# KiCad board FPGA_module.kicad_pcb (continued)
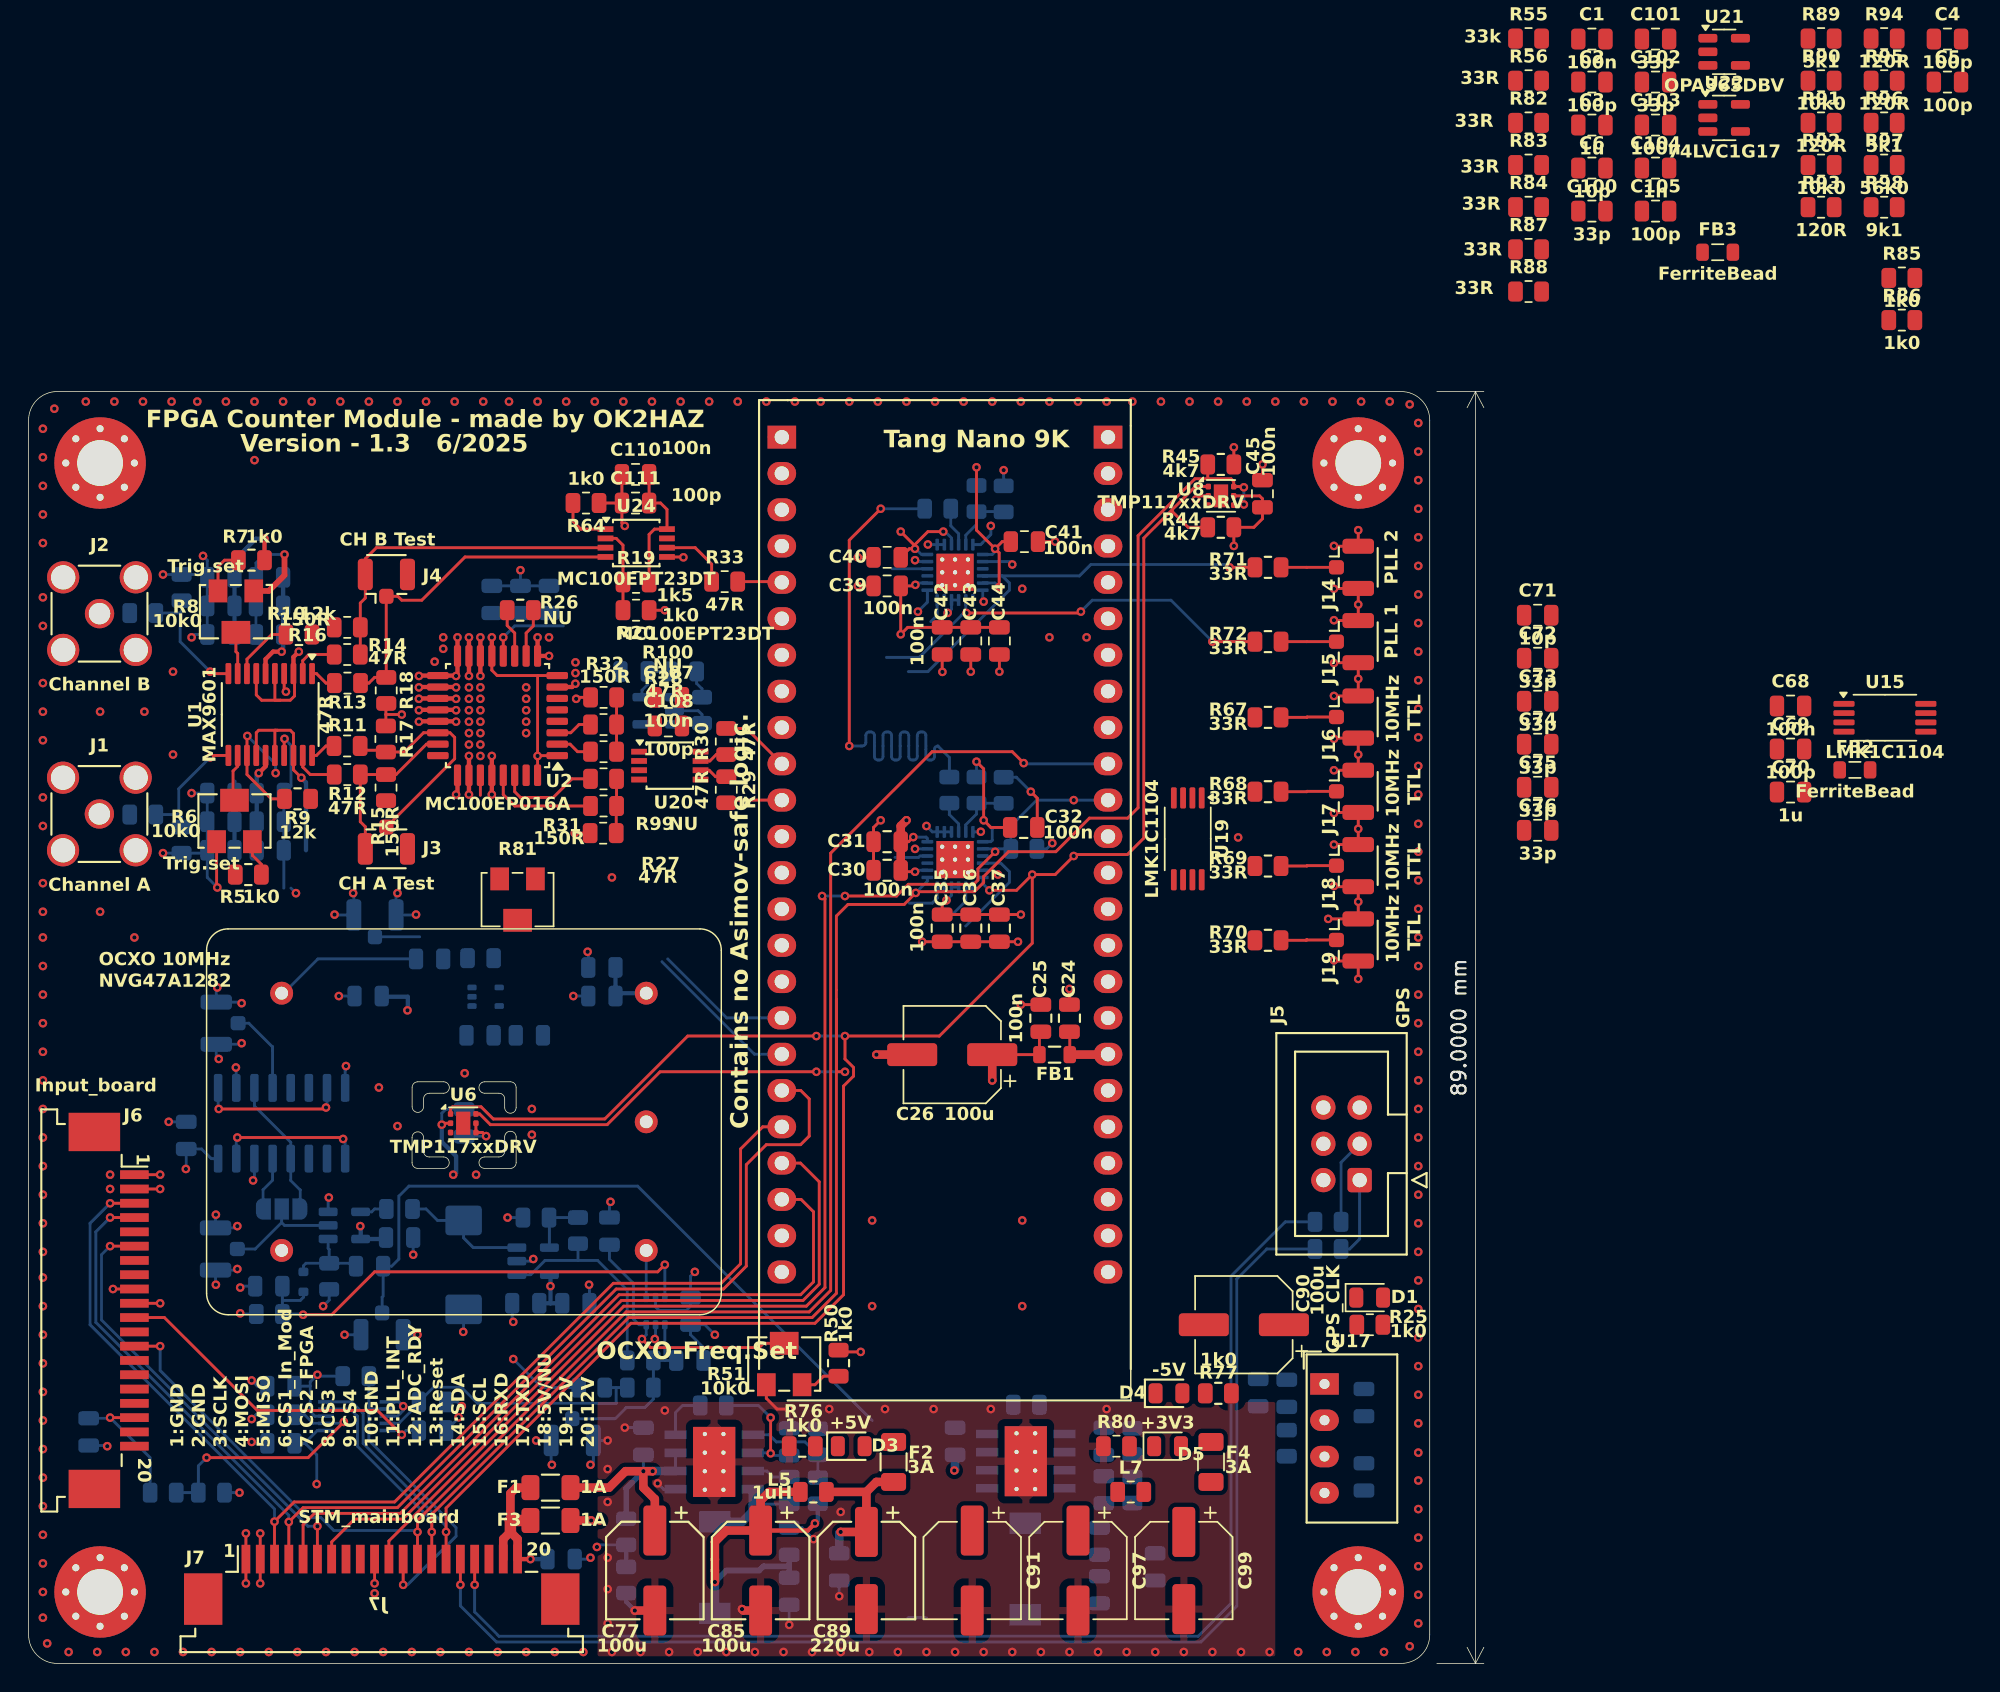
[diagram p0: board, top side]
## Library data of the parts (continued)
L6 = -: Description: Inductor; LCSC PN: C19274374; LCSC link: https://www.lcsc.com/product-detail/Power-Inductors_SHOU-HAN-CYA0620-6-8UH_C19274374.html; ki_fp_filters: Choke_* *Coil* Inductor_* L_*
R1 R2 = -: Description: Resistor; LCSC PN: C17477; LCSC link: https://www.lcsc.com/product-detail/Chip-Resistor-Surface-Mount_UNI-ROYAL-Uniroyal-Elec-0805W8F0000T5E_C17477.html?s_z=n_C17477; ki_fp_filters: R_*
R3 R4 = -: Description: Resistor; LCSC PN: C17720; LCSC link: https://www.lcsc.com/product-detail/Chip-Resistor-Surface-Mount_UNI-ROYAL-Uniroyal-Elec-0805W8F499JT5E_C17720.html?s_z=n_C17720; ki_fp_filters: R_*
R5 R7 R25 R40 R47 R50 R76 R77 R80 R85 R86 = -: Description: Resistor; LCSC PN: C17513; LCSC link: https://www.lcsc.com/product-detail/Chip-Resistor-Surface-Mount_UNI-ROYAL-Uniroyal-Elec-0805W8F1001T5E_C17513.html?s_z=n_C17513; ki_fp_filters: R_*
R6 R8 R51 R81 = -: LCSC PN: C81348; LCSC link: https://www.lcsc.com/product-detail/Potentiometers-Variable-Resistors_BOURNS-3224W-1-103E_C81348.html
R9 R10 = -: Description: Resistor; LCSC PN: C17444; LCSC link: https://www.lcsc.com/product-detail/Chip-Resistor-Surface-Mount_UNI-ROYAL-Uniroyal-Elec-0805W8F1202T5E_C17444.html?s_z=n_C17444; ki_fp_filters: R_*
R11-R14 R27-R30 R33 R99 R100 = -: Description: Resistor; LCSC PN: C25315; LCSC link: https://www.lcsc.com/product-detail/Chip-Resistor-Surface-Mount_UNI-ROYAL-Uniroyal-Elec-0805W8J0470T5E_C25315.html?s_z=n_C25315; ki_fp_filters: R_*
R15-R18 R23 R24 R31 R32 = -: Description: Resistor; LCSC PN: C17471; LCSC link: https://www.lcsc.com/product-detail/Chip-Resistor-Surface-Mount_UNI-ROYAL-Uniroyal-Elec-0805W8F1500T5E_C17471.html?s_z=n_C17471; ki_fp_filters: R_*
R19 R20 R26 R34 R37 R58-R60 R64 R89 R90 R92 R96-R98 = -: Description: Resistor; ki_fp_filters: R_*
R35 R36 R52 R53 R91 R93-R95 = -: Description: Resistor; LCSC PN: C5140194; LCSC link: https://lcsc.com/product-detail/Chip-Resistor-Surface-Mount_VO-SCR0805F120R_C5140194.html; ki_fp_filters: R_*
R38 = -: Description: Resistor; LCSC link: https://www.lcsc.com/product-detail/Chip-Resistor-Surface-Mount_UNI-ROYAL-Uniroyal-Elec-0805W8F1003T5E_C149504.html?s_z=n_C149504; ki_fp_filters: R_*
R39 R46 = -: Description: Resistor; LCSC PN: C2933368; LCSC link: https://www.lcsc.com/product-detail/Chip-Resistor-Surface-Mount_FOJAN-FRC0805F2151TS_C2933368.html?s_z=n_C2933368; ki_fp_filters: R_*
R41 R43-R45 = -: Description: Resistor; LCSC PN: C2907326; LCSC link: https://www.lcsc.com/product-detail/Chip-Resistor-Surface-Mount_FOJAN-FRC0805J472-TS_C2907326.html?s_z=n_C2907326; ki_fp_filters: R_*
R42 R49 = -: Description: Resistor; LCSC PN: C2907268; LCSC link: https://lcsc.com/product-detail/Chip-Resistor-Surface-Mount_FOJAN-FRC0805F47R0TS_C2907268.html; ki_fp_filters: R_*
R48 R63 R65 R66 R73 R74 R78 = -: Description: Resistor; LCSC PN: C149504; LCSC link: https://www.lcsc.com/product-detail/Chip-Resistor-Surface-Mount_UNI-ROYAL-Uniroyal-Elec-0805W8F1003T5E_C149504.html?s_z=n_C149504; ki_fp_filters: R_*
R54 = -: Description: Resistor; LCSC PN: C4382; LCSC Link: https://www.lcsc.com/product-detail/Chip-Resistor-Surface-Mount_UNI-ROYAL-Uniroyal-Elec-0805W8F5601T5E_C4382.html; ki_fp_filters: R_*
R55 = -: Description: Resistor; LCSC PN: C17633; LCSC Link: https://www.lcsc.com/product-detail/Chip-Resistor-Surface-Mount_UNI-ROYAL-Uniroyal-Elec-0805W8F3302T5E_C17633.html; ki_fp_filters: R_*
R56 R67-R72 R82-R84 R87 R88 = -: Description: Resistor; LCSC PN: C17634; LCSC link: https://www.lcsc.com/product-detail/Chip-Resistor-Surface-Mount_UNI-ROYAL-Uniroyal-Elec-0805W8F330JT5E_C17634.html; ki_fp_filters: R_*
R57 = -: Description: Resistor; LCSC PN: C25826; LCSC link: https://www.lcsc.com/product-detail/Chip-Resistor-Surface-Mount_UNI-ROYAL-Uniroyal-Elec-0805W8F3902T5E_C25826.html?s_z=n_C25826; ki_fp_filters: R_*
R75 = -: Description: Resistor; LCSC PN: C2930185; LCSC link: https://www.lcsc.com/product-detail/Chip-Resistor-Surface-Mount_FOJAN-FRC0805F2492TS_C2930185.html?s_z=n_C2930185; ki_fp_filters: R_*
R79 = -: Description: Resistor; LCSC PN: C2930198; LCSC link: https://www.lcsc.com/product-detail/Chip-Resistor-Surface-Mount_FOJAN-FRC0805F4322TS_C2930198.html; ki_fp_filters: R_*
U1 = -: LCSC PN: 700-MAX9601EUP; LCSC link: https://cz.mouser.com/ProductDetail/Analog-Devices-Maxim-Integrated/MAX9601EUP%2b?qs=1THa7WoU59GwnJLwUbWbGQ%3D%3D
U2 = -: LCSC link: Ebay
U4 U7 = -: LCSC PN: 634-SI5356A-B-GMR; LCSC link: https://cz.mouser.com/ProductDetail/Skyworks-Solutions-Inc/SI5356A-B-GMR?qs=gjQ0PIzz%2F1MHMGnNt1%252BsVA%3D%3D
U5 = -: Datasheet: http://www.ti.com/lit/ds/symlink/ads1113.pdf; Description: Ultra-Small, Low-Power, I2C-Compatible, 860-SPS, 16-Bit ADCs With Internal Reference, Oscillator, and Programmable Comparator, VSSOP-10; LCSC PN: C37593; LCSC link: https://www.lcsc.com/product-detail/Analog-to-Digital-Converters-ADC_Texas-Instruments-ADS1115IDGSR_C37593.html?s_z=n_ADS1115; ki_fp_filters: TSSOP*3x3mm*P0.5mm*
U6 U8 = -: Datasheet: https://www.ti.com/lit/ds/symlink/tmp117.pdf; Description: Digital Temperature Sensor with I2C/SMBus Interface, 16 bits, ±0.3°C, one-shot conversion, alert, nist traceable, EEPROM, WSON; ki_fp_filters: WSON*1EP?2x2mm?P0.65mm?EP1x1.6mm*
U10 = -: Datasheet: http://www.ti.com/lit/ds/symlink/ts5a3159.pdf; Description: Single SPDT Analog Switch, 1.65-V to 5.5-V Single-Supply Operation, 1Ohm Ron, SC-70-6; ki_fp_filters: *SC?70*
U11 = -: LCSC PN: C128919; LCSC link: https://lcsc.com/product-detail/Operational-Amplifier_Microchip-Tech-MIC920YC5-TR_C128919.html?s_z=n_mic920; ki_fp_filters: SOT?23*
U12 = -: Datasheet: https://www.ti.com/lit/ds/symlink/tlv9001.pdf; Description: Low-power, Rail-to-Rail, 1MHz Operational Amplifier, SOT-353; ki_fp_filters: SOT*353*SC*70*
U13 U21 = -: Datasheet: https://www.ti.com/lit/ds/symlink/opa365.pdf; Description: 50-MHz, Zero-Crossover, Low-Distortion, High CMRR, RRI/O, Single-Supply, SOT-23-5; LCSC PN: C96626; LCSC link: https://www.lcsc.com/product-detail/Operational-Amplifier_Texas-Instruments-OPA365AIDBVR_C96626.html?s_z=n_C96626; ki_fp_filters: SOT?23*
U14 = -: Datasheet: http://www.ti.com/lit/sg/scyt129e/scyt129e.pdf; Description: Single XOR Gate, Low-Voltage CMOS; LCSC PN: C19829595; LCSC link: https://www.lcsc.com/product-detail/Logic-Gates_TECH-PUBLIC-74LVC1G86GV_C19829595.html?s_z=n_C19829595; ki_fp_filters: SOT* SG-*
U15 U19 = -: Datasheet: https://www.ti.com/lit/ds/symlink/cdcv304.pdf; Description: 0-200 MHz 1:4 Clock Buffer, PCI-X Compliant, TSSOP-8; LCSC PN: C1855734; LCSC link: https://www.lcsc.com/product-detail/Clock-Buffers-Drivers-Distributors_Texas-Instruments-LMK1C1104PWR_C1855734.html?s_z=n_LMK1C1104; ki_fp_filters: TSSOP*4.4x3mm*P0.65mm*
U16 U18 = -: Datasheet: http://www.ti.com/lit/ds/symlink/lmr33630.pdf; Description: Simple Switcher Synchronous Buck Regulator, Vin=3.8-36V, Iout=3A, F=1400kHz, Adjustable output voltage, HSOP-8; LCSC PN: C841384; LCSC link: https://www.lcsc.com/product-detail/DC-DC-Converters_Texas-Instruments-LMR33630ADDAR_C841384.html?s_z=n_LMR33630; ki_fp_filters: Texas*HSOP*1EP*
U17 = -: Datasheet: http://power.murata.com/datasheet?/data/power/ncl/kdc_cre1.pdf; Description: 5V to 5V 200mA DC-DC Converter with 1kV isolation, SIP-4; LCSC PN: C7465127; LCSC link: https://www.lcsc.com/product-detail/Isolated-Power-Modules_EVISUN-B0505S-1W_C7465127.html; ki_fp_filters: Converter*DCDC*Murata*CRE1xxxxxxSC*
U20 U24 = -: Datasheet: https://www.onsemi.com/pub/Collateral/MC100EPT22-D.PDF; Description: 3.3 V Dual LVTTL/LVCMOS to Differential LVPECL Translator, TSSOP-8; ki_fp_filters: TSSOP*3x3mm*P0.65mm*
U22 = -: Datasheet: https://www.ti.com/lit/ds/symlink/sn74lvc1g17.pdf; Description: Single Schmitt Buffer Gate, Low-Voltage CMOS; ki_fp_filters: SOT?23* SOT?553* Texas?R-PDSO-G5?DCK* Texas?R-PDSO-N5?DRL* Texas?X2SON*0.8x0.8mm*P0.48mm*

## Footprints (pads in the part's own frame, mm; a bottom-side part is the same pattern mirrored in y, then rotated)
C_0805_2012Metric
  rrect 1x1.45 smd: 1(-0.95,0) 2(0.95,0)
Converter_DCDC_Murata_CRE1xxxxxxSC_THT
  rect 2x1.5 hole 0.7: 1(0,0)
  oval 2x1.5 hole 0.7: 2(0,-2.54) 3(0,-5.08) 4(0,-7.62)
CP_EIA-7343-31_Kemet-D
  rrect 2.075x2.55 smd: 1(-3.112,0) 2(3.112,0)
CP_Elec_6.3x5.4
  rrect 3.5x1.6 smd: 1(-2.8,0) 2(2.8,0)
CP_Elec_6.3x7.7
  rrect 3.5x1.6 smd: 1(-2.7,0) 2(2.7,0)
D_SOD-523
  rrect 0.6x0.7 smd: 1(-0.7,0) 2(0.7,0)
DIP-48_TangNano9K
  rect 1.6x2 hole 1: 1(-29.21,-11.408) 48(-29.21,11.408)
  oval 1.6x2 hole 1: 2(-26.67,-11.408) 3(-24.13,-11.408) 4(-21.59,-11.408) 5(-19.05,-11.408) 6(-16.51,-11.408) 7(-13.97,-11.408) 8(-11.43,-11.408) 9(-8.89,-11.408) 10(-6.35,-11.408) 11(-3.81,-11.408) 12(-1.27,-11.408) 13(1.27,-11.408) 14(3.81,-11.408) 15(6.35,-11.408) 16(8.89,-11.408) 17(11.43,-11.408) 18(13.97,-11.408) 19(16.51,-11.408) 20(19.05,-11.408) 21(21.59,-11.408) 22(24.13,-11.408) 23(26.67,-11.408) 24(29.21,-11.408) 25(29.21,11.408) 26(26.67,11.408) 27(24.13,11.408) 28(21.59,11.408) 29(19.05,11.408) 30(16.51,11.408) 31(13.97,11.408) 32(11.43,11.408) 33(8.89,11.408) 34(6.35,11.408) 35(3.81,11.408) 36(1.27,11.408) 37(-1.27,11.408) 38(-3.81,11.408) 39(-6.35,11.408) 40(-8.89,11.408) 41(-11.43,11.408) 42(-13.97,11.408) 43(-16.51,11.408) 44(-19.05,11.408) 45(-21.59,11.408) 46(-24.13,11.408) 47(-26.67,11.408)
Fuse_1206_3216Metric
  rrect 1.25x1.75 smd: 1(-1.4,0) 2(1.4,0)
IDC-Header_2x03_P2.54mm_Vertical
  rrect 1.7x1.7 hole 1: 1(0,0)
  round 1.7 hole 1: 2(2.54,0) 3(0,-2.54) 4(2.54,-2.54) 5(0,-5.08) 6(2.54,-5.08)
L_7.3x7.3_H3.5
  rect 1.5x2.2 smd: 1(-3.2,0) 2(3.2,0)
L_0805_2012Metric
  rrect 0.875x1.2 smd: 1(-1.062,0) 2(1.062,0)
LED_0805_2012Metric
  rrect 0.975x1.4 smd: 1(-0.938,0) 2(0.938,0)
LQFP-32_7x7mm_P0.8mm
  rrect 1.5x0.5 smd: 1(-4.175,2.8) 2(-4.175,2) 3(-4.175,1.2) 4(-4.175,0.4) 5(-4.175,-0.4) 6(-4.175,-1.2) 7(-4.175,-2) 8(-4.175,-2.8) 17(4.175,-2.8) 18(4.175,-2) 19(4.175,-1.2) 20(4.175,-0.4) 21(4.175,0.4) 22(4.175,1.2) 23(4.175,2) 24(4.175,2.8)
  rrect 0.5x1.5 smd: 9(-2.8,-4.175) 10(-2,-4.175) 11(-1.2,-4.175) 12(-0.4,-4.175) 13(0.4,-4.175) 14(1.2,-4.175) 15(2,-4.175) 16(2.8,-4.175) 25(2.8,4.175) 26(2,4.175) 27(1.2,4.175) 28(0.4,4.175) 29(-0.4,4.175) 30(-1.2,4.175) 31(-2,4.175) 32(-2.8,4.175)
MountingHole_3.2mm_M3_Pad_Via
  round 0.8 hole 0.5: 1(-2.4,0) 1(-1.697,1.697) 1(-1.697,-1.697) 1(0,2.4) 1(0,-2.4) 1(1.697,1.697) 1(1.697,-1.697) 1(2.4,0)
  round 6.4 hole 3.2: 1(0,0)
NVG47A1282
  round 1.6 hole 0.9: 1(12.75,-9) 2(12.75,0) 3(12.75,9) 4(-12.75,9) 5(-12.75,-9)
Potentiometer_Bourns_3224W_Vertical
  rect 1.3x1.6 smd: 1(1.25,1.45) 3(-1.25,1.45)
  rect 2x1.6 smd: 2(0,-1.45)
QFN-24-1EP_4x4mm_P0.5mm_EP2.6x2.6mm_ThermalVias
  rrect 1.13x1.13 smd: (-0.65,-0.65) (-0.65,0.65) (0.65,-0.65) (0.65,0.65)
  rrect 0.825x0.25 smd: 1(-1.938,1.25) 2(-1.938,0.75) 3(-1.938,0.25) 4(-1.938,-0.25) 5(-1.938,-0.75) 6(-1.938,-1.25) 13(1.938,-1.25) 14(1.938,-0.75) 15(1.938,-0.25) 16(1.938,0.25) 17(1.938,0.75) 18(1.938,1.25)
  rrect 0.25x0.825 smd: 7(-1.25,-1.938) 8(-0.75,-1.938) 9(-0.25,-1.938) 10(0.25,-1.938) 11(0.75,-1.938) 12(1.25,-1.938) 19(1.25,1.938) 20(0.75,1.938) 21(0.25,1.938) 22(-0.25,1.938) 23(-0.75,1.938) 24(-1.25,1.938)
  round 0.6 hole 0.3: 25(-0.9,-0.9) 25(-0.9,0) 25(-0.9,0.9) 25(0,-0.9) 25(0,0) 25(0,0.9) 25(0.9,-0.9) 25(0.9,0) 25(0.9,0.9)
  rect 2.6x2.6 smd far side: 25(0,0)
  rect 2.6x2.6 smd: 25(0,0)
R_0805_2012Metric
  rrect 1.025x1.4 smd: 1(-0.912,0) 2(0.912,0)
SMA_Amphenol_132134-11_Vertical
  round 2.05 hole 1.5: 1(0,0)
  round 2.25 hole 1.7: 2(-2.54,2.54) 2(-2.54,-2.54) 2(2.54,2.54) 2(2.54,-2.54)
SOIC-16_3.9x9.9mm_P1.27mm
  rrect 1.95x0.6 smd: 1(-2.475,4.445) 2(-2.475,3.175) 3(-2.475,1.905) 4(-2.475,0.635) 5(-2.475,-0.635) 6(-2.475,-1.905) 7(-2.475,-3.175) 8(-2.475,-4.445) 9(2.475,-4.445) 10(2.475,-3.175) 11(2.475,-1.905) 12(2.475,-0.635) 13(2.475,0.635) 14(2.475,1.905) 15(2.475,3.175) 16(2.475,4.445)
SolderJumper-3_P1.3mm_Open_RoundedPad1.0x1.5mm_NumberLabels
  custom 1.05x1.5 smd: 1(-1.3,0) 3(1.3,0)
  rect 1x1.5 smd: 2(0,0)
SOT-23-5
  rrect 1.325x0.6 smd: 1(-1.137,0.95) 2(-1.137,0) 3(-1.137,-0.95) 4(1.137,-0.95) 5(1.137,0.95)
SOT-353_SC-70-5
  rrect 0.65x0.4 smd: 1(-0.95,0.65) 2(-0.95,0) 3(-0.95,-0.65) 4(0.95,-0.65) 5(0.95,0.65)
SOT-363_SC-70-6
  rrect 0.65x0.4 smd: 1(-0.95,0.65) 2(-0.95,0) 3(-0.95,-0.65) 4(0.95,-0.65) 5(0.95,0) 6(0.95,0.65)
TE_2-84952-0_1x20-1MP_P1.0mm_Horizontal
  rect 0.61x2 smd: 1(-9.5,1.8) 2(-8.5,1.8) 3(-7.5,1.8) 4(-6.5,1.8) 5(-5.5,1.8) 6(-4.5,1.8) 7(-3.5,1.8) 8(-2.5,1.8) 9(-1.5,1.8) 10(-0.5,1.8) 11(0.5,1.8) 12(1.5,1.8) 13(2.5,1.8) 14(3.5,1.8) 15(4.5,1.8) 16(5.5,1.8) 17(6.5,1.8) 18(7.5,1.8) 19(8.5,1.8) 20(9.5,1.8)
  rect 2.68x3.6 smd: MP(-12.49,-1) MP(12.49,-1)
Texas_HSOP-8-1EP_3.9x4.9mm_P1.27mm_ThermalVias
  rect 2.6x3.1 smd: (0,0) (0,0)
  rect 1.55x0.6 smd: 1(-2.7,1.905) 2(-2.7,0.635) 3(-2.7,-0.635) 4(-2.7,-1.905) 5(2.7,-1.905) 6(2.7,-0.635) 7(2.7,0.635) 8(2.7,1.905)
  round 0.6 hole 0.3: 9(-0.65,-1.95) 9(-0.65,-0.65) 9(-0.65,0.65) 9(-0.65,1.95) 9(0.65,-1.95) 9(0.65,-0.65) 9(0.65,0.65) 9(0.65,1.95)
  rect 2.95x4.9 smd far side: 9(0,0)
  rect 2.95x4.9 smd: 9(0,0)
TSSOP-8_3x3mm_P0.65mm
  rect 1.1x0.4 smd: 1(-2.15,0.975) 2(-2.15,0.325) 3(-2.15,-0.325) 4(-2.15,-0.975) 5(2.15,-0.975) 6(2.15,-0.325) 7(2.15,0.325) 8(2.15,0.975)
TSSOP-8_4.4x3mm_P0.65mm
  rrect 1.475x0.4 smd: 1(-2.862,0.975) 2(-2.862,0.325) 3(-2.862,-0.325) 4(-2.862,-0.975) 5(2.862,-0.975) 6(2.862,-0.325) 7(2.862,0.325) 8(2.862,0.975)
TSSOP-10_3x3mm_P0.5mm
  rect 1.1x0.25 smd: 1(-2.15,1) 2(-2.15,0.5) 3(-2.15,0) 4(-2.15,-0.5) 5(-2.15,-1) 6(2.15,-1) 7(2.15,-0.5) 8(2.15,0) 9(2.15,0.5) 10(2.15,1)
TSSOP-20_4.4x6.5mm_P0.65mm
  rrect 1.475x0.4 smd: 1(-2.862,2.925) 2(-2.862,2.275) 3(-2.862,1.625) 4(-2.862,0.975) 5(-2.862,0.325) 6(-2.862,-0.325) 7(-2.862,-0.975) 8(-2.862,-1.625) 9(-2.862,-2.275) 10(-2.862,-2.925) 11(2.862,-2.925) 12(2.862,-2.275) 13(2.862,-1.625) 14(2.862,-0.975) 15(2.862,-0.325) 16(2.862,0.325) 17(2.862,0.975) 18(2.862,1.625) 19(2.862,2.275) 20(2.862,2.925)
U.FL_Hirose_U.FL-R-SMT-1_Vertical
  rrect 1.05x1 smd: 1(-1.05,0)
  rrect 2.2x1.05 smd: 2(0.475,1.475) 2(0.475,-1.475)
WSON-6-1EP_2x2mm_P0.65mm_EP1x1.6mm
  rrect 0.81x0.64 smd: (0,0.4) (0,-0.4)
  rrect 0.375x0.4 smd: 1(-0.887,0.65) 2(-0.887,0) 3(-0.887,-0.65) 4(0.887,-0.65) 5(0.887,0) 6(0.887,0.65)
  rect 1x1.6 smd: 7(0,0)

## Nets
+3V3: C3.2 C7.1 C8.1 C9.1 C13.1 C14.1 C15.1 C19.2 C20.2 C21.2 C30.2 C31.2 C32.2 C34.2 C35.1 C36.1 C37.1 C38.1 C39.2 C40.2 C41.2 C42.1 C43.1 C44.1 C45.1 C50.1 C52.1 C53.1 C54.2 C61.1 C62.2 C65.2 C70.2 C105.1 C107.2 C108.2 C110.2 C111.2 D5.2 F4.2 FB2.1 FB3.1 IC1.16 R5.2 R7.2 R19.2 R34.2 R39.2 R41.2 R43.2 R44.2 R45.2 R46.2 R81.3 U1.3 U1.5 U1.7 U1.14 U1.16 U1.18 U2.1 U2.8 U2.13 U2.25 U2.32 U4.7 U4.11 U4.15 U4.16 U4.20 U4.24 U5.8 U6.4 U6.5 U7.3 U7.7 U7.11 U7.15 U7.16 U7.20 U7.24 U8.5 U10.5 U11.5 U12.5 U14.5 U20.8 U22.5 U24.8
+5V: C22.1 C25.2 C26.1 C46.2 C47.2 C55.1 C56.1 C80.1 C103.1 C104.1 D3.2 F2.2 FB1.1 J5.5 J6.18 R37.2 R50.2 U9.3 U13.5 U17.2 U21.5
+12V: C77.1 C78.2 C91.1 C92.2 F1.2 F3.2 R97.2 U16.2 U16.3 U18.2 U18.3
-5V: C10.1 C11.1 C12.1 C16.1 C17.1 C18.1 C86.2 C88.2 C90.2 D4.1 L4.2 R85.1 R86.1 U1.6 U1.15
GND: C1.1 C2.1 C3.1 C4.1 C5.1 C6.2 C7.2 C8.2 C9.2 C10.2 C11.2 C12.2 C13.2 C14.2 C15.2 C16.2 C17.2 C18.2 C19.1 C20.1 C21.1 C22.2 C23.1 C24.1 C25.1 C26.2 C27.1 C28.1 C29.1 C30.1 C31.1 C32.1 C33.1 C34.1 C35.2 C36.2 C37.2 C38.2 C39.1 C40.1 C41.1 C42.2 C43.2 C44.2 C45.2 C46.1 C47.1 C48.1 C50.2 C51.1 C52.2 C53.2 C54.1 C55.2 C56.2 C60.2 C61.2 C62.1 C65.1 C66.1 C68.1 C69.1 C70.1 C71.2 C72.2 C73.2 C74.2 C75.2 C76.2 C77.2 C78.1 C79.1 C80.2 C82.2 C83.2 C84.1 C85.2 C86.1 C87.2 C88.1 C89.2 C90.1 C91.2 C92.1 C93.1 C95.2 C96.2 C97.2 C98.2 C99.2 C100.2 C101.2 C102.2 C103.2 C104.2 C105.2 C107.1 C108.1 C110.1 C111.1 H1.1 H2.1 H3.1 H4.1 IC1.2 IC1.8 IC1.14 J1.2 J2.2 J5.6 J6.1 J6.2 J6.10 J7.1 J7.2 J7.10 J8.2 J9.2 J10.2 J12.2 J13.2 J14.2 J15.2 J16.2 J17.2 J18.2 J19.2 R3.1 R4.1 R9.1 R10.1 R15.1 R16.1 R17.1 R18.1 R20.1 R25.1 R31.1 R32.1 R35.1 R36.1 R38.1 R40.1 R47.1 R51.1 R52.1 R53.1 R59.1 R60.1 R64.1 R65.2 R66.1 R75.1 R76.1 R77.2 R79.1 R80.1 R81.1 R90.1 R91.1 R92.1 R93.1 R94.1 R95.1 R98.1 U1.4 U1.17 U2.7 U2.9 U2.14 U2.15 U2.16 U2.17 U2.18 U2.19 U2.20 U2.21 U2.26 U2.28 U3.26 U4.1 U4.2 U4.3 U4.6 U4.23 U4.25 U5.1 U5.3 U6.2 U7.1 U7.2 U7.6 U7.23 U7.25 U8.2 U9.5 U10.2 U11.2 U12.2 U13.2 U14.3 U15.4 U16.1 U16.9 U17.1 U17.4 U18.1 U18.9 U19.4 U20.5 U21.2 U22.3 U24.5
VBUS: C23.2 F1.1 F3.1 J7.19 J7.20
/FPGA_core/10MHz_GPSDO_CLK4: C72.1 R84.2 U3.16
/FPGA_core/ADC_RDY: J7.12 R43.1 U5.2
/FPGA_core/GPS_CLK_OUT: C67.2 D1.2 J5.2 J12.1
/FPGA_core/PLL_CLK1: R53.2 U3.12 U4.10
/FPGA_core/PLL_CLK2: R52.2 U3.13 U4.14
/FPGA_core/PLL_CLK3: R36.2 U3.14 U4.18
/FPGA_core/PLL_CLK4: R35.2 U3.15 U4.22
/FPGA_core/PLL_CLK5: R95.2 U3.9 U7.10
/FPGA_core/PLL_CLK6: R94.2 U3.8 U7.14
/FPGA_core/PLL_CLK7: R93.2 U3.7 U7.18
/FPGA_core/PLL_CLK8: R91.2 U3.6 U7.22
/FPGA_core/PLL_INT: J7.11 R41.1 U3.38 U4.8 U7.8
/FPGA_core/SCL: J7.15 R44.1 U4.12 U5.10 U6.1 U7.12 U8.1
/FPGA_core/SDA: J7.14 R45.1 U4.19 U5.9 U6.6 U7.19 U8.4 U8.6
/GPSDO/10MHz_GPSDO_CLK1: C75.1 IC1.4 R56.2
/GPSDO/10MHz_GPSDO_CLK2: C74.1 R82.2 U19.1
/GPSDO/10MHz_GPSDO_CLK3: C73.1 R42.1 R49.1 R83.2
/GPSDO/OCXO_VC: J8.1 R96.2 U21.1 U21.4
/I2C_devices/PLL2_CLK1: R72.1 U7.13
/I2C_devices/PLL2_CLK2: R71.1 U7.9
CH_B: R33.2 U3.5
DIV_Bit1/2: R29.2 U3.11
DIV_Bit3/4: R30.2 U3.10
DIV_Out: U2.12 U3.17
DIV_Res: U2.27 U3.18
FPGA_CS2: J7.7 U3.21
GPS_Time_Stamp: J5.4 U3.30
Input_Mod_CS1: J6.6 J7.6
MISO: J7.5 U3.22
MOSI: J6.4 J7.4 U3.19
OCXO_VC_SW: C66.2 D2.1 R65.1 U10.6
Reset: J6.13 J7.13 U3.39
RF_Level: J6.11 R89.2
RXD: J7.16 R23.1
SCK: J6.3 J7.3 U3.20
TXD: J7.17 R24.1
Net-(C6-Pad1): C6.1 R87.2 U22.2
Net-(C49-Pad1): C49.1 R54.1
Net-(C51-Pad2): C51.2 R57.1 U10.1
Net-(C82-Pad1): C82.1 C83.1 C85.1 L3.2 L5.1 R74.2
Net-(C87-Pad1): C87.1 C89.1 F2.1 L5.2
Net-(C95-Pad1): C95.1 C96.1 C97.1 L6.2 L7.1 R78.2
Net-(C98-Pad1): C98.1 C99.1 F4.1 L7.2
Net-(D1-K): D1.1 R25.2
Net-(D2-A): C67.1 D2.2 R66.2 U14.1
Net-(D3-K): D3.1 R76.2
Net-(D4-A): D4.2 R77.1
Net-(D5-K): D5.1 R80.2
Net-(IC1A-A): IC1.1 IC1.7
Net-(IC1A-QA): IC1.3 IC1.12 JP2.3
Net-(IC1B-A): IC1.9 IC1.15
Net-(IC1B-QA): IC1.13 JP2.1
Net-(J1-In): J1.1 R1.1
Net-(J2-In): J2.1 R2.1
Net-(J3-Ext): J3.2 R12.2 R15.2 U2.23
Net-(J3-In): J3.1 R11.2 R17.2 U2.22
Net-(J4-Ext): J4.2 R14.2 R16.2 U24.3
Net-(J4-In): J4.1 R13.2 R18.2 U24.4
Net-(J5-Pin_1): J5.1 R23.2
Net-(J5-Pin_3): J5.3 R24.2
Net-(J9-In): J9.1 R55.2 R87.1 U11.4
Net-(J10-In): C71.1 J10.1 R88.2 U15.1
Net-(J13-In): J13.1 JP2.2 U14.2
Net-(J14-In): C4.2 J14.1 R71.2
Net-(J15-In): C5.2 J15.1 R72.2
Net-(J16-In): C102.1 J16.1 R67.2
Net-(J17-In): C101.1 J17.1 R68.2
Net-(J18-In): C100.1 J18.1 R69.2
Net-(J19-In): C76.1 J19.1 R70.2
Net-(R6-A): R5.1 R6.3
Net-(R6-E): R6.1 R86.2
Net-(R6-S): R6.2 U1.12
Net-(R8-A): R7.1 R8.3
Net-(R8-E): R8.1 R85.2
Net-(R8-S): R8.2 U1.9
Net-(R51-A): R50.1 R51.3
Net-(R51-S): C48.2 R51.2 U10.3
Net-(R57-Pad2): R57.2 R58.1 U13.1
Net-(R63-Pad2): R63.2 U14.4
Net-(R81-S): R81.2 U11.3
Net-(R88-Pad1): R88.1 U22.4
Net-(U1A-/Q): R14.1 U1.2
Net-(U1A-Hys): R10.2 U1.8
Net-(U1A-IN+): R2.2 R4.2 U1.10
Net-(U1A-Q): R13.1 U1.1
Net-(U1B-/Q): R12.1 U1.19
Net-(U1B-Hys): R9.2 U1.13
Net-(U1B-IN+): R1.2 R3.2 U1.11
Net-(U1B-Q): R11.1 U1.20
Net-(U2-COUT): R26.2 U2.10
Net-(U2-Q0): R27.1 U2.29
Net-(U2-Q1): R99.1 U2.30
Net-(U2-Q3): R28.1 U2.2
Net-(U2-Q4): R100.1 U2.3
Net-(U2-~{COUT}): R26.1 U2.11
Net-(U3-+5V): C24.2 FB1.2 U3.31
Net-(U4-CLK_IN): R42.2 U4.4
Net-(U4-SSC_DIS): R39.1 R40.2 U4.5
Net-(U5-AIN0): C27.2 R92.2 R96.1 U5.4
Net-(U5-AIN1): C28.2 R89.1 R90.2 U5.5
Net-(U5-AIN2): C29.2 R97.1 R98.2 U5.6
Net-(U5-AIN3): C33.2 R37.1 R38.2 U5.7
Net-(U7-CLK_IN): R49.2 U7.4
Net-(U7-SSC_DIS): R46.1 R47.2 U7.5
Net-(U9-OUT): C49.2 U9.4
Net-(U11-+): R54.2 R55.1 U11.1
Net-(U12-+): R34.1 R59.2 U12.1
Net-(U12--): U12.3 U12.4 U20.2 U20.3
Net-(U13-+): C60.1 R63.1 U13.3
Net-(U13--): R58.2 R60.2 U13.4
Net-(U15-1Y0): R56.1 U15.3
Net-(U15-1Y1): R82.1 U15.5
Net-(U15-1Y2): R83.1 U15.7
Net-(U15-1Y3): R84.1 U15.8
Net-(U15-OE): C1.2 C2.2 FB3.2 U15.2 U15.6
Net-(U16-BOOT): C81.2 U16.7
Net-(U16-FB): R74.1 R75.2 U16.5
Net-(U16-PG): R73.1 U16.4
Net-(U16-SW): C81.1 L3.1 U16.8
Net-(U16-VCC): C79.2 R73.2 U16.6
Net-(U17--VOUT): C84.2 L4.1 U17.3
Net-(U18-BOOT): C94.2 U18.7
Net-(U18-FB): R78.1 R79.2 U18.5
Net-(U18-PG): R48.1 U18.4
Net-(U18-SW): C94.1 L6.1 U18.8
Net-(U18-VCC): C93.2 R48.2 U18.6
Net-(U19-1Y0): R67.1 U19.3
Net-(U19-1Y1): R68.1 U19.5
Net-(U19-1Y2): R69.1 U19.7
Net-(U19-1Y3): R70.1 U19.8
Net-(U19-OE): C68.2 C69.2 FB2.2 U19.2 U19.6
Net-(U20-D0): R28.2 R32.2 R100.2 U20.1
Net-(U20-D1): R27.2 R31.2 R99.2 U20.4
Net-(U20-Q0): R30.1 U20.7
Net-(U20-Q1): R29.1 U20.6
Net-(U21-+): U9.1 U10.4 U21.3
Net-(U24-D0): R64.2 U24.1
Net-(U24-Q1): R33.1 U24.6
Net-(U24-~{D0}): R19.1 R20.2 U24.2

Pads without a net: IC1 5 6 10 11; J6 5 7 8 9 12 14 15 16 17 19 20 MP; J7 8 9 18 MP; U2 4 5 6 24 31; U3 1 2 3 4 23 24 25 27 28 29 32 33 34 35 36 37 40 41 42 43 44 45 46 47 48; U4 9 13 17 21; U6 3 7; U7 17 21; U8 3 7; U9 2; U22 1; U24 7

## Via types
v1: diameter 0.6, hole 0.3, Top to Bottom, 491 vias

## Routing (per net, layer and track width the routed paths; a pad name or vN(x,y) marks a point on that pad's centre or on a via; arc(x,y) is an arc through that point)
+3V3: length 497
  Top w0.2: U1.3 18.6,69.19 18.6,67.7 18.3,67.4 17.6,67.4 ; U2.13 32.4,69.5 32.78,69.12 35.6,69.12 ; 17.6,67.4 16.3,67.4 15.92,67.78 15.92,69.26 ; 17.6,67.4 17.22,67.4 17.22,69.26 ; 14.5,55.16 R5.2 ; v1(64.28,73.51) 63.9,73.13 C42.1 ; U2.1 35.62,63.53 v1(35.6,63.5) ; v1(61.88,57.82) 61.55,57.5 C31.2 ; v1(61.99,78) 61.99,78.29 62.9,79.2 v1(63.98,79.2) ; v1(61.99,78) 61.6,78 C40.2 ; v1(61.99,78) 61.99,78.21 v1(61,79.2) ; C42.1 C43.1 C44.1 ; C42.1 61.49,72.5 v1(61,72.01) C39.2 61.95,75.4 v1(62.02,75.48) ; 17.4,65.3 16.1,65.3 15.92,65.12 15.92,63.54 ; 17.4,65.3 18.3,65.3 18.53,65.08 U1.18 18.53,62.53 v1(19.08,61.98) ; 17.4,65.3 17.22,65.3 17.22,63.54 ; v1(67.6,78) 66.3,79.3 v1(66.3,83.7) ; v1(67.6,78) 68.1,78.5 C41.2 ; v1(67.6,78) 67.88,77.72 v1(67.88,75.32) ; v1(69.4,52.4) C37.1 C36.1 C35.1 63.9,53.1 v1(64.2,53.4) ; v1(35.6,63.5) 35.6,69.12 ; v1(35.6,63.5) U2.32 ; U6.5 U6.4 31.75,37.15 v1(32,36.9) ; C110.2 C111.2 44.2,81.2 44.65,80.75 U24.8 43.78,79.38 43.4,79 R19.2 ; R45.2 v1(84.3,85.1) ; U8.5 86.1,81.7 86.3,81.5 C45.1 86.3,80.1 85.7,79.5 R44.2 v1(84.3,78.2) ; v1(66.3,63.1) 66.8,62.6 v1(66.8,59) 67.3,58.5 C32.2 ; 35.6,69.12 U2.8 ; C30.2 61.1,55.4 v1(62,55.4)
  Top w0.3: v1(32.4,71.8) U2.13 ; v1(29.9,60.8) 30,60.9 U2.25 ; U1.3 18.53,70.42 v1(18.9,70.8) ; v1(16.5,78.7) R7.2
  Top w0.6: v1(61.4,59) 61,58.6 C31.2 C30.2
  In2.Cu w0.2: v1(84.6,57.8) 84.6,77.9 v1(84.3,78.2) v1(84.3,85.1) ; v1(46.6,27.4) 48.4,25.6 ; v1(71.6,57.4) 71.6,54.6 71.05,54.05
  In2.Cu w0.3: v1(32,36.9) 30.5,35.4 30.5,33.6 27.5,30.6 v1(23.2,30.6) 21.35,28.75 21.35,21.85 23,20.2 ; 29.9,60.6 v1(29.9,60.8) ; v1(26.5,45.7) 29.8,42.4 44.8,42.4 48.4,38.8
  In2.Cu w0.4: v1(69.4,52.4) 71.05,54.05 80.85,54.05 v1(84.6,57.8)
  In2.Cu w0.6: 11,53.4 v1(11,34.6) 11,26.1 16.9,20.2 v1(20.2,20.2) 52.6,20.2 ; v1(67.6,78) 67.47,78 66.27,79.2 v1(61,79.2) v1(61,72.01) 61,59.4 v1(61.4,59) ; 71.3,20.2 52.6,20.2 ; 52.6,20.2 51.93,20.2 48.4,23.73 48.4,47.4 v1(40.8,55) ; v1(61.4,59) 61.9,59.5 66.3,59.5 v1(66.8,59) ; v1(61.4,59) 61,58.6 61,53 61.6,52.4 v1(69.4,52.4) ; v1(67.8,55.2) 69.4,53.6 v1(69.4,52.4) ; v1(69.4,52.4) 71.4,50.4 71.4,20.3 ; v1(19.08,61.98) 19.1,62 19.1,70.6 v1(18.9,70.8)
  Bottom w0.2: v1(67.88,75.32) 67.6,75.6 U7.11 ; v1(46.6,27.4) 46.3,27.1 C62.2 46.3,25 46,24.7 44.1,24.7 43.85,24.95 U10.5 ; v1(32,36.9) 30.48,36.9 C38.1 ; v1(66.3,63.1) R39.2 ; U12.5 42.9,68.1 43.3,68.5 C50.1 R34.2 ; U7.7 67.4,77.6 67.6,77.8 v1(67.6,78) ; v1(62.02,75.48) 62.15,75.6 U7.20 ; v1(64.2,53.4) 64.55,53.75 U4.16 U4.15 ; v1(61.99,78) 62.05,78 62.45,77.6 U7.24 ; U7.3 64.55,78.75 64.1,79.2 v1(63.98,79.2) ; 66.8,58.8 v1(66.8,59) 67.4,58.4 67.4,57.6 67.3,57.5 U4.7 ; v1(64.28,73.51) 64.55,73.78 U7.16 U7.15 ; U4.20 62.1,55.5 v1(62,55.4) ; U5.8 20.03,17.3 19.7,17.62 19.7,19.4 ; C34.2 19.7,19.4 ; 19.7,19.4 19.7,19.7 v1(20.2,20.2) 20.3,20.1 R43.2 ; C61.1 v1(21.7,46.7) ; v1(61.88,57.82) 62.78,57.82 62.86,57.74 U4.24 ; v1(66.3,83.7) R46.2 ; U4.11 67.5,55.5 v1(67.8,55.2) ; v1(71.6,57.4) 71.2,57 R41.2 ; v1(11,34.6) 11.02,34.62 C54.2 12.1,36 12.77,35.33 IC1.16
  Bottom w0.3: 19.4,56.9 19.4,61.65 v1(19.08,61.98) ; v1(16.5,78.7) 15.9,78.7 14.4,77.2 C13.1 C14.1 C15.1 ; v1(23.2,30.6) 23.22,30.58 23.22,29.7 24.9,29.7 C65.2 ; 14.4,61.7 C9.1 C8.1 C7.1 ; C21.2 C20.2 C19.2 ; 24.92,29.7 25.03,29.8 ; v1(26.5,45.7) 26.53,45.72 26.53,46.65 24.75,46.65 24.7,46.7 ; 40.7,55.1 v1(40.8,55)
+5V: length 141.7
  Top w0.2: C26.1 FB1.1 70.7,44.1 C25.2 ; v1(5.7,17.2) J6.18 ; v1(58.2,21.8) 56.78,21.8 56.65,21.93
  Top w0.6: v1(67.4,40.8) C26.1
  In1.Cu w0.2: 61.2,21.2 60.6,21.8 v1(58.2,21.8)
  In1.Cu w0.3: v1(36.5,26.4) 36.5,20.9 38.6,18.8
  In1.Cu w0.6: 48.6,18.8 53.4,18.8 ; 48.6,18.8 7.3,18.8 v1(5.7,17.2) ; 48.6,18.8 45.8,21.6 45.8,45.5 44.4,46.9 U9.3 ; 61.2,18.8 61.2,34.6 v1(67.4,40.8)
  Bottom w0.2: C22.1 5.65,17.15 v1(5.7,17.2) 8.5,14.4 R37.2
  Bottom w0.3: 35.72,25.2 36.5,25.2 ; 36.5,25.2 C55.1 ; 36.5,25.2 v1(36.5,26.4) 36.5,27.12 U13.5 ; 4.35,17.2 4.3,17.15 ; C46.2 C47.2 41.25,46.9 43.25,46.9
  Bottom w0.6: 41.08,48.72 C46.2
+12V: length 49.9
  Top w0.6: v1(43,13.45) 43,12.3 43.8,11.5 C77.1 ; v1(43,13.45) 41.75,13.45 40.6,12.3 F1.2 ; v1(43,13.45) v1(43.65,13.45) ; F3.2 v1(39.35,10)
  In1.Cu w0.6: v1(64.75,13.5) 54.75,13.5 51.25,10 v1(39.95,10) v1(39.35,10)
  Bottom w0.2: 62.8,3.2 61.5,3.2 ; C78.2 v1(43,13.45) ; 45.25,14.74 U16.2
  Bottom w0.4: v1(43,13.45) 41.8,12.25 41.8,10.12
  Bottom w0.6: v1(43,13.45) 43.02,13.47 U16.2 ; v1(64.75,13.5) 64.8,13.55 C92.2
-5V: length 23.7
  Top w0.3: v1(17.7,70.8) 17.1,70.8 16.58,70.28 U1.6 ; U1.15 16.58,62.78 v1(16.1,62.3)
  In2.Cu w0.2: v1(17.7,70.8) 17.4,70.5 17.4,65.4 16.1,64.1 v1(16.1,62.3)
  Bottom w0.3: v1(17.7,70.8) 17.8,70.9 C16.1 C17.1 C18.1 ; v1(16.1,62.3) 15.95,62.15 C10.1 C11.1 C12.1
GND: length 275.7
  Top w0.2: R31.1 v1(38.2,58.1) ; v1(38.3,67.5) 38.4,67.6 R32.1 ; v1(16.2,5.6) J7.2 v1(16.2,9.1) ; J6.1 v1(9.2,34.2) ; v1(90.9,52.1) J19.2 v1(93,53.3) J18.2 91.35,54.35 v1(91.3,54.4) ; v1(15.2,5.6) J7.1 v1(15.2,9.1) ; C43.2 v1(65.9,69.4) ; R18.1 24.99,67.15 24.99,66.4 ; 13.15,57.5 13.15,54.35 v1(13.2,54.3) ; C111.1 41.5,79.8 v1(41.7,79.6) ; C111.1 R64.1 ; C111.1 C110.1 ; C44.2 v1(67.9,69.4) ; v1(91.3,49.2) 91.35,49.15 J19.2 v1(93,47.9) ; v1(91.3,57.3) J18.2 v1(93,58.4) J17.2 91.35,59.55 v1(91.3,59.5) ; R17.1 24.99,66.4 ; 24.99,66.4 v1(26.1,66.4) ; U8.2 81.9,81.7 v1(81.65,81.45) ; C41.1 v1(71.8,78.5) ; U1.17 17.88,64.67 v1(17.9,64.7) ; R51.1 51.6,18.55 52.35,17.8 v1(53.2,17.8) ; v1(93,79.3) J14.2 91.32,78.17 v1(91.3,78.2) ; C25.1 v1(69.4,46.1) ; v1(91.3,70) 91.32,70.03 J15.2 v1(93,68.9) J16.2 v1(91.3,67.7) ; v1(91.3,73) 91.32,72.97 J15.2 v1(93,74.1) 93,75.22 91.32,75.22 v1(91.3,75.2) ; 34.42,76.53 v1(34.4,76.5) ; v1(45.8,77.4) 45.78,77.42 44.65,77.42 ; v1(62.5,50.5) C35.2 C36.2 C37.2 v1(69.2,50.5) ; U6.2 29,37.8 v1(28.9,37.7) ; v1(70.1,61) 70.55,60.55 C32.1 ; C39.1 v1(58,75.4) ; v1(63.91,69.38) 63.9,69.4 C42.2 ; J7.10 v1(24.2,5.6) ; v1(91.3,62.5) J17.2 v1(93,63.6) J16.2 91.35,64.75 v1(91.3,64.7) ; R20.1 v1(44.5,73.7) ; J6.10 v1(9.2,25.2) ; C30.1 C31.1 59.1,58.5 v1(59.6,59) ; J6.2 v1(9.2,33.2) ; C40.1 v1(58,77.4) ; C45.2 v1(86.3,83.9) ; U1.4 17.88,68.12 v1(18,68) ; C24.1 v1(72.8,47.2)
  Top w0.3: v1(27.3,68.3) 27.33,68.33 U2.18 29.88,68.33 v1(29.9,68.3) ; v1(30.8,69.1) U2.15 v1(30.8,71.8) ; v1(29.9,65.9) 29.88,65.92 U2.21 27.33,65.92 v1(27.3,65.9) ; v1(30.8,60.8) U2.26 v1(30.8,63.5) ; v1(32.4,60.8) U2.28 v1(32.4,63.5) ; v1(35.6,71.8) U2.9 v1(36.4,70.5) ; v1(27.3,67.5) 27.33,67.53 U2.19 29.88,67.53 v1(29.9,67.5) ; v1(30,71.8) U2.16 30,69.2 v1(29.9,69.1) 29.88,69.12 U2.17 27.33,69.12 v1(27.3,69.1) ; v1(31.6,69.1) U2.14 v1(31.6,71.8) ; v1(38.24,68.56) 38.01,68.33 U2.7 ; v1(27.3,66.7) 27.33,66.72 29.88,66.72 v1(29.9,66.7)
  Top w0.4: 15.75,75.05 16.8,75.05 17.9,76.15 v1(17.9,77.6)
  Top w0.6: C85.2 50,3.7 v1(49.9,3.8) ; C26.2 v1(59.3,42.6) ; C77.2 v1(42.4,3.7)
  Bottom w0.2: C33.1 15.9,17.4 v1(15.6,17.1) ; C47.1 v1(38.1,46.7) ; C54.1 v1(9.8,37.9) ; C34.1 16,19.4 v1(15.6,19.8) ; v1(14.8,24.5) 14.85,24.45 15.92,24.45 ; v1(30.3,18) 30,18.3 C27.1 ; C60.2 30.42,23.22 v1(30.4,23.2) ; v1(36.6,13.9) 36.55,13.95 J8.2 v1(35.5,15.6) ; v1(15.6,15.5) 15.7,15.4 C29.1 ; R75.1 53.22,16.43 C79.1 v1(53.2,17.8) ; R47.1 v1(68.2,83.5) ; v1(25.8,53.9) 25.7,53.8 J9.2 27.08,52.38 v1(27.1,52.4) ; v1(20.6,25) 21.03,25.42 R66.1 ; v1(54.9,8.7) 54.1,9.5 C83.2 ; v1(33.9,23.9) 33.83,23.97 C56.2 ; 22.14,40.28 22.14,41.75 v1(22.2,41.8) ; v1(66.6,58.2) 66.59,58.19 U4.6 ; U10.2 43.85,22.75 v1(43.8,22.7) ; U14.3 20.95,32.55 v1(21,32.6) ; v1(62,77.2) 62.1,77.1 U7.23 ; C66.1 14.9,26.4 v1(14.8,26.3) ; C87.2 v1(56.7,4.7) ; C46.1 39.15,49.75 v1(39.1,49.8) ; U7.2 U7.1 62.91,78.29 v1(62.9,78.3) ; v1(39.3,13.9) 39.5,14.1 J8.2 v1(40.5,15.6) ; U13.2 35.15,28.15 v1(35.3,28.3) ; v1(14.9,46.2) 14.83,46.28 13.12,46.28 13.12,47.22 v1(13.2,47.3) ; R60.1 v1(33.5,31.2) ; IC1.14 15.8,33.89 v1(15.7,33.8) ; C16.2 C17.2 C18.2 15.9,77 16.5,77.6 v1(17.9,77.6) ; v1(70.1,61) 69.09,62.01 R40.1 ; v1(13.3,42.3) 13.12,42.47 J10.2 14.83,43.33 v1(14.9,43.4) ; C48.1 40.62,32.22 v1(40.7,32.3) ; U7.6 66.59,78.29 67.3,79 v1(67.3,79.6) ; v1(13.1,26.5) 13.08,26.53 13.08,27.53 14.53,27.53 v1(14.6,27.6) ; v1(11.4,71.8) 11.6,72 C15.2 C14.2 C13.2 ; v1(5.5,15.2) 5.45,15.25 C22.2 ; J12.2 v1(27.2,23) ; v1(30.08,17.22) 30.08,17.18 C28.1 ; C82.2 v1(53.2,2.7) ; C7.2 C8.2 C9.2 v1(11.4,60.9) ; C7.2 12.3,56.7 R3.1 v1(9.4,56.7) ; C7.2 12.5,55 v1(13.2,54.3) ; 39.22,25.2 39.22,26.47 v1(39.2,26.5) ; v1(28.9,37.7) 28.9,38.5 29.18,38.78 C38.2 ; U5.1 25.9,18.3 v1(26.2,18) 26.2,17.7 25.8,17.3 U5.3 ; R59.1 47.1,66.4 46.84,66.66 U12.2 ; v1(14.6,30.6) 14.47,30.47 13.08,30.47 13.08,31.38 v1(13.1,31.4) ; 17.85,54.25 C12.2 C11.2 C10.2 18.35,61.4 18.35,64.25 v1(17.9,64.7) ; C21.1 C20.1 ; C20.1 C19.1 ; C20.1 v1(34.4,76.5) ; v1(39.3,7.4) 39.2,7.3 C23.1 ; R38.1 v1(14.75,11.95) ; 18.35,54.25 v1(18.7,53.9) ; v1(44,12.6) 44.41,12.19 U16.1 ; v1(9.4,76.2) R4.1 12.3,76.2 C13.2 ; C13.2 12.5,77.2 v1(12.2,77.5) ; C65.1 v1(26.9,28.6) ; 14.53,40.28 14.53,41.67 v1(14.5,41.7) ; C78.1 v1(41.7,16.5) ; v1(48,23) 47.3,23.7 C62.1 46.3,23 47.2,22.1 C51.1 ; U4.3 U4.2 U4.1 63.21,58.19 v1(62.8,58.6) ; J12.2 v1(22.1,23) ; v1(22.7,53.9) 22.75,53.85 J9.2 21.42,52.38 v1(21.4,52.4) ; U4.23 v1(62,57)
  Bottom w0.3: 29.7,34.1 29.9,34.3 29.9,35.5 28.9,36.5 v1(28.9,37.7) ; R36.1 41.8,4.3 v1(42.4,3.7)
  vias: v1(1,86.4) v1(1,84.4) v1(1,82.4) v1(1,80.4) v1(1,78.4) v1(1,74.6) v1(1,72.6) v1(1,68.6) v1(1,66.6) v1(1,64.6) v1(1,60.6) v1(1,58.6) v1(1,54.6) v1(1,52.6) v1(1,50.8) v1(1,48.8) v1(1,46.8) v1(1,44.8) v1(1,42.8) v1(1,40.8) v1(1,38.8) v1(1,36.8) v1(1,34.8) v1(1,32.8) v1(1,30.8) v1(1,28.8) v1(1,27) v1(1,25) v1(1,23) v1(1,21) v1(1,19) v1(1,17) v1(1,15) v1(1,13) v1(1,11) v1(1,9) v1(1,7) v1(1,5) v1(1,3.2) v1(1.3,1.4) v1(1.8,87.8) v1(2.8,0.8) v1(4,88.3) v1(4.8,0.8) v1(5,66.6) v1(5,52.6) v1(5.7,34.2) v1(5.7,33.2) v1(6,88.3) v1(6.8,0.8) v1(7.4,50.8) v1(8,88.3) v1(8.1,66.6) v1(8.8,0.8) v1(10,88.3) v1(10.1,69.4) v1(10.1,63.6) v1(10.8,0.8) v1(11.8,88.3) v1(12.8,0.8) v1(13.8,88.3) v1(14.8,0.8) v1(15.8,88.3) v1(15.8,84.2) v1(16.8,0.8) v1(17.8,88.3) v1(18.8,0.8) v1(19.8,88.3) v1(20.8,0.8) v1(21.8,88.3) v1(22.8,0.8) v1(23.8,88.3) v1(24.2,4.9) v1(24.5,40.3) v1(24.8,0.8) v1(25.8,88.3) v1(25.8,37.6) v1(26.8,0.8) v1(27.8,88.3) v1(28.4,70.1) v1(28.8,0.8) v1(29,71.8) v1(29,71) v1(29.7,34.2) v1(29.8,88.3) v1(30.5,41.3) v1(30.8,68.3) v1(30.8,67.5) v1(30.8,66.7) v1(30.8,65.9) v1(30.8,65.1) v1(30.8,64.3) v1(30.8,0.8) v1(31.3,34.2) v1(31.6,68.3) v1(31.6,67.5) v1(31.6,66.7) v1(31.6,65.9) v1(31.6,65.1) v1(31.6,64.3) v1(31.6,63.5) v1(31.8,88.3) v1(32.8,0.8) v1(33.6,88.3) v1(34.8,68.3) v1(34.8,67.5) v1(34.8,66.7) v1(34.8,65.9) v1(34.8,65.1) v1(34.8,0.8) v1(35.2,38.8) v1(35.2,37) v1(35.6,88.3) v1(36.4,71.8) v1(36.8,0.8) v1(37.6,88.3) v1(38.25,70.05) v1(38.25,69.3) v1(38.8,0.8) v1(39.6,88.3) v1(40.5,13.6) v1(40.5,11.3) v1(40.5,7.4) v1(40.5,5.2) v1(40.5,2.8) v1(40.8,0.8) v1(41.6,88.3) v1(42.8,0.8) v1(43.6,88.3) v1(44.5,17.7) v1(44.8,0.8) v1(45.6,88.3) v1(46.8,0.8) v1(47.6,88.3) v1(48.8,0.8) v1(49.6,88.3) v1(50.8,0.8) v1(51.6,88.3) v1(52.8,0.8) v1(53.6,88.3) v1(54.8,0.8) v1(55.4,88.3) v1(56,17.8) v1(56.8,10.6) v1(56.8,0.8) v1(57.4,88.3) v1(58.8,0.8) v1(59,31) v1(59,25) v1(59.4,88.3) v1(59.9,17.8) v1(60.8,0.8) v1(61.4,88.3) v1(62.8,0.8) v1(63.3,17.8) v1(63.4,88.3) v1(64.8,0.8) v1(65.4,88.3) v1(66.8,0.8) v1(67.3,17.8) v1(67.4,88.3) v1(68.8,0.8) v1(69.4,88.3) v1(69.5,75.2) v1(69.5,31) v1(69.5,25) v1(70.8,0.8) v1(71.4,88.3) v1(71.4,71.8) v1(72.8,0.8) v1(73.4,88.3) v1(74,71.8) v1(74.8,0.8) v1(75.4,88.3) v1(75.4,17.8) v1(76.8,0.8) v1(77.2,88.3) v1(78.8,0.8) v1(79.2,88.3) v1(80.8,0.8) v1(81.2,88.3) v1(82.8,0.8) v1(83.2,88.3) v1(84.8,0.8) v1(85.2,88.3) v1(86.8,0.8) v1(87.2,88.3) v1(88.8,0.8) v1(89.2,88.3) v1(90.8,0.8) v1(91.2,88.3) v1(92.8,0.8) v1(93.2,88.3) v1(94.8,0.8) v1(95.2,88.3) v1(96.6,88.1) v1(96.6,1.2) v1(97.2,86.8) v1(97.2,84.8) v1(97.2,82.8) v1(97.2,80.8) v1(97.2,78.8) v1(97.2,76.8) v1(97.2,74.8) v1(97.2,72.8) v1(97.2,70.8) v1(97.2,68.8) v1(97.2,66.8) v1(97.2,64.8) v1(97.2,62.8) v1(97.2,60.8) v1(97.2,58.75) v1(97.2,56.8) v1(97.2,54.8) v1(97.2,52.8) v1(97.2,50.8) v1(97.2,48.8) v1(97.2,46.8) v1(97.2,44.8) v1(97.2,42.8) v1(97.2,40.8) v1(97.2,38.8) v1(97.2,36.8) v1(97.2,34.8) v1(97.2,32.8) v1(97.2,30.8) v1(97.2,28.8) v1(97.2,26.8) v1(97.2,24.8) v1(97.2,22.8) v1(97.2,20.8) v1(97.2,18.8) v1(97.2,16.8) v1(97.2,14.75) v1(97.2,12.8) v1(97.2,10.8) v1(97.2,8.8) v1(97.2,6.8) v1(97.2,4.8) v1(97.2,2.8)
